# KiCad board CPU.kicad_pcb (continued)
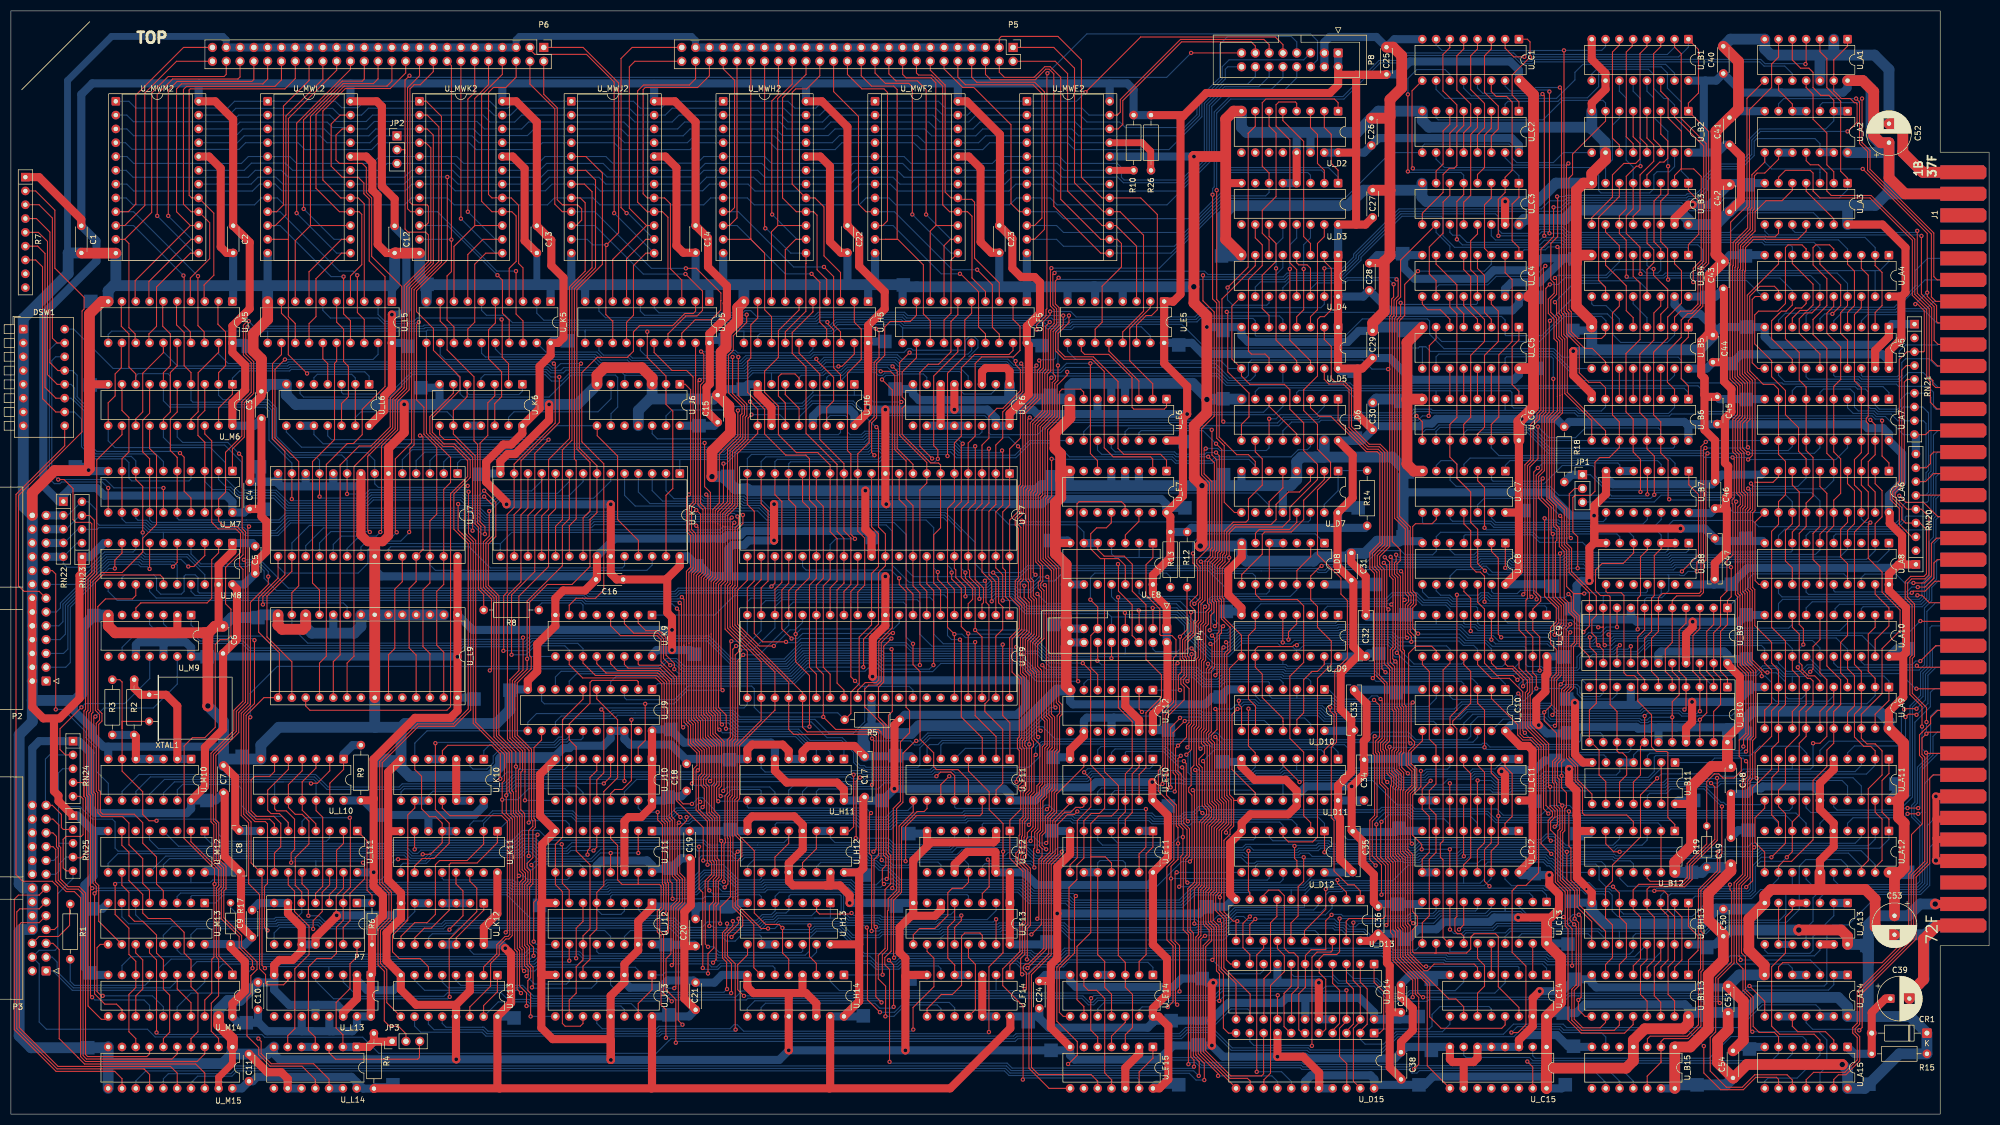
[diagram p0: board, top side]
## Routing (per net, layer and track width the routed paths; a pad name or vN(x,y) marks a point on that pad's centre or on a via; arc(x,y) is an arc through that point) (continued)
  Bottom w0.2: v1(274.22,87.74) 282.78,87.74 283.53,86.99 290.98,86.99 291.48,87.48 294.43,87.48 294.9,87.96 300.09,87.96 300.65,88.52 349.13,88.52 v1(351.35,90.73)
/Sys.~{RA_{12}}: length 53.2
  Top w0.2: v1(350.78,162.53) 350.78,151.03 353.43,148.38 353.43,138.75 354.52,137.66 J1.46
  Bottom w0.2: v1(350.78,162.53) 350.48,162.23 328.3,162.23 327.8,162.73 327.8,163.5
/Sys.~{RA_{13}}: length 67.5
  Top w0.2: U_A3.6 325.25,172.4 326.52,173.66 331.09,173.66 331.6,173.15 331.6,169.85 332.87,168.58 342.09,168.58 349.87,160.8 349.87,150.66 352.52,148.01 352.52,135.47 353.19,134.8 353.19,130.99 354.44,129.74 355.45,129.74
/Sys.~{RA_{14}}: length 54.3
  Top w0.2: v1(351.54,161.59) 351.54,150.91 353.88,148.57 353.88,142.36 354.62,141.62 J1.45
  Bottom w0.2: v1(351.54,161.59) 351.36,161.78 323.42,161.78 322.71,162.48 U_A3.8
/Sys.~{RA_{15}}: length 104.7
  Top w0.2: v1(347.48,113.78) 348.68,112.57 351.92,112.57 354.56,109.94 J1.53
  Bottom w0.2: v1(347.48,113.78) 347.48,109.41 346.92,108.86 346.91,108.86 346.15,108.09 321.6,108.09 320.46,109.23 305.86,109.23 304.93,108.3 304.93,103.81 304.44,103.32 291.06,103.32 289.18,105.21 281.29,105.21 279.89,106.6 267.59,106.6 267.36,106.37 U_C8.4
/Sys.~{RDIN}: length 51.3
  Top w0.2: J1.42 354.43,153.5 353.82,154.1 353.82,162.12 342.09,173.86 342.09,177.3 340.61,178.77 v1(340.61,186.87)
  Bottom w0.2: v1(340.61,186.87) 339.85,186.11 333.35,186.11 332.88,185.63 U_A2.3
/Sys.~{WTIN}: length 62.5
  Top w0.2: v1(339.52,186.86) 340.16,186.22 340.16,178.58 341.63,177.11 341.63,173.67 353.37,161.93 353.37,150.37 354.2,149.54 J1.43
  Bottom w0.2: v1(339.52,186.86) 326.21,186.86 325.25,185.91 U_A2.6
/WorkAddr_TC: length 69.4
  Top w0.2: v1(251.11,45.76) 250.04,46.83 250.04,54.09 250.92,54.97 250.92,66.06 250.66,66.33 250.66,69.26 v1(250.94,69.54)
  Bottom w0.2: U_C10.12 269.88,69.31 269.02,68.44 258.35,68.44 257.26,69.54 v1(250.94,69.54) ; v1(251.11,45.76) 250.81,46.06 229.4,46.06 229.01,45.67 U_D12.9
/~{AddrCount_EN}: length 208.6
  Top w0.2: v1(186.06,25.72) 185.8,25.98 185.8,28.63 186.57,29.39 186.57,34.35 187.13,34.91 187.13,45.05 185.37,46.81 185.37,47.81 185.97,48.41 185.97,51.1 186.11,51.24 186.11,53.96 186.71,54.56 186.71,58.97 187.37,59.62 187.37,68.03 v1(187.39,68.06) 187.37,68.08 187.37,80.75 186.66,81.46 186.66,87.3 187.82,88.46 187.82,94.41 187.22,95.01 187.22,97.81 186.76,98.27 186.76,114.82 187.12,115.17 187.12,127.85 187.44,128.18 v1(187.47,128.18) ; U_D6.6 231.51,130.24 236.59,125.16 U_D6.13
  Bottom w0.2: U_D6.6 231.51,130.16 230.5,129.15 218.93,129.15 217.49,127.71 187.94,127.71 v1(187.47,128.18) ; U_E14.1 210.14,27.01 209.22,27.93 194.52,27.93 193.69,27.1 188.34,27.1 186.99,25.75 186.1,25.75 v1(186.06,25.72) ; 171.12,65.34 171.12,67.89 171.53,68.3 187.29,68.3 187.39,68.2 v1(187.39,68.06)
/~{AddrHToData}: length 177.5
  Top w0.2: U_D5.2 241.67,142.53 242.95,141.25 242.95,135.43 243.6,134.79 245.38,134.79 246.68,133.49 246.68,126.53 249.95,123.26 251.96,123.26 253.26,121.96 253.26,104.64 251.41,102.79 251.41,100.92 252.26,100.08 252.26,81.97 v1(252.92,81.3) ; 343.02,70.78 343.02,73.58 345.56,76.12 345.56,78.4
  Bottom w0.2: v1(252.92,81.3) 253.22,81 280.72,81 280.87,80.86 281.62,80.86 281.97,81.2 321.05,81.2 322.32,82.47 324.89,82.47 326.36,81 329.62,81 330.84,82.22 331.33,82.22 332.95,80.6 344.65,80.6 345.56,79.69 345.56,78.4
/~{AddrHToSys}: length 224.2
  Top w0.2: 343.02,97.45 343.02,95.69 345.56,93.15 U_A10.1 345.56,89.84 343.02,87.29 U_A10.19 ; v1(188.88,95.71) 189.18,95.41 189.18,87.9 188.02,86.74 188.02,82.02 188.73,81.31 188.73,69.69 v1(189.03,69.39)
  Bottom w0.2: U_F11.5 175.62,67.3 187.7,67.3 189.03,68.62 v1(189.03,69.39) ; v1(188.88,95.71) 190.69,93.9 214.45,93.9 217.74,90.61 217.74,90.26 220.7,87.3 221.36,87.3 222.1,88.04 224.09,88.04 225.49,89.44 244.1,89.44 244.29,89.62 266.78,89.62 268.34,88.06 272.72,88.06 273.8,86.98 282.89,86.98 283.34,86.54 291.17,86.54 291.66,87.03 294.62,87.03 295.09,87.5 300.28,87.5 300.84,88.06 340.62,88.06 343.03,85.65 343.03,85.4 ; U_A10.19 343.02,85.39 343.03,85.4 ; 343.03,85.4 343.03,84.49
/~{AddrLToData}: length 139.2
  Bottom w0.2: U_D4.10 228.97,152.18 229.93,153.14 234.49,153.14 235.2,153.85 245.13,153.85 248.43,157.14 248.43,157.67 255.97,165.2 263.2,165.2 263.4,165 263.4,164.85 263.5,164.75 263.5,161.63 265.64,159.49 282.14,159.49 283,160.35 285.2,160.35 285.6,159.95 310.4,159.95 311.25,159.1 311.25,155.86 311.9,155.21 342.23,155.21 ; 342.23,155.21 343,155.21 343.02,155.18 343.02,151.3 ; 342.23,155.21 343.88,155.21 345.56,156.89 U_A4.1
/~{AddrMToData}: length 172.6
  Top w0.2: U_A7.19 343.02,126.85 v1(342.14,127.73) ; U_D4.7 228.97,156.12 222.84,149.99 222.84,127.66 v1(223.08,127.42) ; 343.02,110.91 343.02,114.48 341.76,115.75 341.76,120.07 343.02,121.33 343.02,124.12
  Bottom w0.2: v1(223.08,127.42) 223.33,127.18 233.05,127.18 234.12,128.25 240.35,128.25 240.69,128.59 257.68,128.59 258.35,129.26 261.16,129.26 261.4,129.02 287.72,129.02 288.27,128.47 305.19,128.47 305.55,128.83 316.23,128.83 317.03,128.03 341.84,128.03 v1(342.14,127.73)
/~{ALU_Flags_EN}: length 125.6
  Top w0.2: U_E7.13 205.02,112.03 204.35,112.7 196.57,112.7 196.17,112.29 196.17,79.86 v1(196.38,79.65)
  Bottom w0.2: U_J9.1 119.04,79.21 144.17,79.21 146.45,81.49 157.16,81.49 157.74,82.07 159.57,82.07 160.22,81.42 169.61,81.42 171.12,82.93 185.44,82.93 188.72,79.65 v1(196.38,79.65)
/~{ALU_OE}: length 187.6
  Top w0.2: 183.77,102.54 183.77,95.17 185.55,93.4 185.55,89.4 183.77,87.62 U_F9.40 ; U_F7.40 183.77,109.31 185.4,110.94 185.4,115.51 185.75,115.87 185.75,122.45 v1(185.32,122.89)
  Bottom w0.2: 50.68,126.66 50.68,125.52 53.48,122.72 130.8,122.72 132.65,124.56 156.66,124.56 157.3,125.21 161.02,125.21 161.66,124.56 183.64,124.56 v1(185.32,122.89)
/~{CCR_EN}: length 253.7
  Top w0.2: U_E6.7 197.4,132.86 196.85,133.4 193.42,133.4 192.97,132.95 192.97,128.12 190.75,125.9 190.75,113.6 190.39,113.24 190.39,102.36 192.36,100.39 192.36,75.72 192.97,75.11 192.97,73.77 192.51,73.31 192.51,67.06 192.05,66.61 192.05,59.82 191.51,59.28 191.51,55.9 190.34,54.74 190.34,51.9 189.74,51.3 189.74,49.48 v1(190.5,48.73)
  Bottom w0.2: v1(190.5,48.73) 189.86,48.73 189.07,49.52 173.77,49.52 172.91,48.66 162.25,48.66 161.39,49.51 137.39,49.51 137.39,49.51 128.48,49.51 127.58,50.41 98.99,50.41 97.2,52.2 94.1,52.2 92.28,50.38 69.26,50.38 68.62,49.75 36.92,49.75 35.69,50.98 35.69,52.07
/~{ClockB_{0}}: length 405.7
  Top w0.2: 79.65,76.64 79.65,85 78.36,86.28 78.36,96.19 79.65,97.47 79.65,114.95 80.9,116.21 80.9,120.83 76.45,125.28 U_K5.11 ; U_K7.27 120.54,113.86 121.8,115.11 121.8,129.34 120.54,130.59 U_J6.2 120.54,135.8 117.1,139.24 v1(117.1,143.97) ; v1(188.72,144.36) 188.72,145.19 190.46,146.93 190.46,148 190.63,148.17 190.63,191.42 v1(190.73,191.52)
  Bottom w0.2: 105.66,143.94 105.66,144.07 105.67,144.07 ; 105.66,143.94 U_J5.11 ; 105.66,143.94 105.66,144.19 105.74,144.27 ; 117.15,144.27 133.75,144.27 133.95,144.07 133.99,144.07 ; 117.15,144.27 117.1,144.21 v1(117.1,143.97) ; 117.15,144.27 105.74,144.27 ; 47.24,144.07 76.45,144.07 76.45,144.07 ; 47.24,144.07 U_L5.11 ; 47.24,144.07 18.55,144.07 17.91,143.43 U_M5.11 ; 133.99,144.07 134.87,144.07 U_H5.11 ; 133.99,144.07 150.93,144.07 152.13,145.27 163.5,145.27 164.11,144.65 ; v1(188.72,144.36) 188.43,144.66 164.11,144.66 164.08,144.68 U_F5.11 ; P8.6 240.41,193.98 240.41,197.49 239.14,198.76 197.97,198.76 v1(190.73,191.52) ; U_K5.11 76.45,144.07 ; 76.45,144.07 76.65,144.27 105.74,144.27
/~{ClockB_{1}}: length 288.9
  Top w0.2: v1(75.78,47.81) 77.23,47.81 79.36,49.95 U_K11.5 79.36,53.53 78.17,54.72 77.03,54.72 75.57,56.19 75.57,62.15 74.32,63.4 U_K10.6 ; U_F7.15 148.21,113.09 149.48,111.81 149.48,98.6 148.21,97.33 U_F9.15 148.21,82.22 149.48,80.95 v1(149.48,73.08) 151.78,70.79 159.64,70.79 160.11,70.32 160.11,46.88 v1(160.24,46.75) ; U_F12.11 176.2,42.65 175.1,41.55 173.2,41.55 172.4,40.75 172.4,36.55 170,34.15 167.2,34.15 166.04,32.99 U_F13.9
  Bottom w0.2: U_M12.9 17.88,46.13 19.69,47.93 69.37,47.93 70.01,48.57 72.74,48.57 73.8,47.51 75.48,47.51 v1(75.78,47.81) ; U_F12.11 176.2,45.98 175.35,46.82 166.15,46.82 165.12,45.79 162.33,45.79 161.73,46.39 160.6,46.39 v1(160.24,46.75) ; U_K10.6 74.32,68.22 74.3,68.25 76.57,70.53 U_J9.11 95.11,72.1 96.72,73.7 110.06,73.7 110.65,74.29 132.94,74.29 134.14,73.08 v1(149.48,73.08)
  Bottom w1.5: U_K11.5 81.9,52.06
/~{ClockB_{2}}: length 302.8
  Top w0.2: 259.7,31.23 259.7,35.22 260.99,36.5 260.99,46.91 262.22,48.15 U_C12.7 262.22,55.08 260.99,56.31 260.99,59.51 262.22,60.75 U_C11.7 262.22,67.78 260.99,69.01 260.99,81.45 259.72,82.73 U_C9.11 ; 225,57.72 225,53.01 224.33,52.35 224.33,51.5 223.22,50.39 223.22,37.2 224.91,35.51 v1(225.66,35.51) 225.43,35.28 225.43,31.98 ; 225,57.72 U_D11.9 ; 225,57.72 225,58.01 224.23,58.78 224.23,82.01 U_D9.9 226.43,88.11 223.2,91.34 223.2,94.82 222.9,95.12 222.9,100.48 224.17,101.75 v1(224.17,102.39) 224.17,106.89 225.3,108.03 233.96,108.03 235.33,109.4 235.33,111.68 240.41,116.76 240.41,119.56 237.87,122.1 237.87,127.18 235.33,129.72 235.33,133.27 234.32,134.29 227.97,134.29 226.43,135.83 U_D5.9 224.67,138.95 224.67,148.67 U_D4.9
  Bottom w0.2: v1(225.66,35.51) 226.01,35.15 243.61,35.15 243.98,34.78 245.3,34.78 246.05,34.03 249.08,34.03 250.07,33.05 250.07,32.44 251.07,31.44 253.15,31.44 254.38,30.2 258.5,30.2 U_C13.11 ; U_E8.2 207.6,102.44 207.6,102.44 ; v1(224.17,102.39) 224.14,102.42 203.2,102.42 202.52,103.1 U_E8.4 ; U_D5.9 224.05,137.19 222.63,138.61 199.23,138.61 198.94,138.9 195.93,138.9 194.43,140.4 U_E5.9
/~{DataEndCycle}: length 322.3
  Top w0.2: v1(217.76,93.9) 218.81,94.95 218.81,100.72 218.21,101.32 218.21,101.97 220.24,104 220.24,104.02 220.54,104.32 220.54,116.19 219.1,117.62 219.1,126.12 221.42,128.43 221.42,147.57 219.34,149.65 v1(219.34,154.35) ; U_A1.3 332.87,195.5 334.14,194.23 334.14,188.9 336.68,186.36 336.68,173.48 337.95,172.21 U_A3.1 ; v1(203.74,95.11) 203.78,95.06 203.78,74.78 206.32,72.24 206.32,63.88 205.06,62.61 U_E10.12 205.06,55.63 203.77,54.34 203.77,29.2 205.06,27.91 U_E14.3 205.06,23.34 206.38,22.02 206.38,15.93 205.06,14.61 U_E15.3
  Bottom w0.2: v1(217.76,93.9) 216.85,94.81 204.04,94.81 v1(203.74,95.11) ; 337.95,171.38 337.95,170.11 336.41,168.56 315.32,168.56 312.98,166.23 308.9,166.23 307.44,167.69 286.69,167.69 285.11,166.11 255.59,166.11 247.52,158.04 247.52,157.52 244.76,154.76 234.82,154.76 234.12,154.05 219.64,154.05 v1(219.34,154.35)
/~{DataRD_EN}: length 172.3
  Top w0.2: 322.7,57.18 322.7,56.31 320.92,54.52 320.92,49.99 322.7,48.21 U_A12.11 ; v1(253.25,61.11) 252.74,61.62 252.74,66.82 252.48,67.08 252.48,68.08 253.22,68.82 253.22,79.32 251.81,80.73 251.81,99.89 250.96,100.74 250.96,102.98 252.8,104.82 252.8,121.77 251.77,122.8 249.77,122.8 246.22,126.34 246.22,133.3 245.19,134.34 242.53,134.34 241.67,135.19 U_D5.15
  Bottom w0.2: U_A11.11 321.93,56.95 315.56,56.95 315.14,57.37 314.66,57.37 311.73,60.3 305.25,60.3 304.44,59.49 276.14,59.49 275.89,59.23 272.63,59.23 272.19,59.68 254.69,59.68 v1(253.25,61.11)
/~{DataRDCycle}: length 157.2
  Top w0.2: U_A1.6 325.25,194.49 323.98,193.22 323.98,188.9 319.9,184.82 319.9,166.93 319.57,166.6 319.57,163.06 316.9,160.39 316.9,156.11 316.77,155.98 316.77,135.46 318.15,134.08 318.15,128.55 317.28,127.68 317.28,122.04 318,121.33 318,114.42 318.66,113.76 318.66,111.99 318.21,111.54 318.21,99.68 318.22,99.66 318.22,95.97 318.61,95.58 318.61,82.86 320.15,81.32 320.15,69.69 319.54,69.07 319.54,66.98 v1(319.27,66.72)
  Bottom w0.2: U_B11.3 301.12,65.96 301.57,66.42 318.97,66.42 v1(319.27,66.72)
/~{DataRDLatch}: length 116.9
  Top w0.2: 345.56,51.38 345.56,54.28 345.57,54.28 344.3,55.55 344.3,61.39 345.56,62.66 345.56,64.8 ; 301.12,12.4 301.12,13.84 301.62,14.35 308.43,14.35 310.52,16.43 310.52,26.37 310.9,26.75 310.9,32.95 310.52,33.33 310.52,41.33 314,44.81 314,47.77 314.07,47.84 v1(314.07,48.27) ; U_B12.6 293.46,49.75 294.94,48.27 v1(296.02,48.27)
  Bottom w0.2: 345.56,51.38 345.56,50.59 343.9,48.93 321.8,48.93 321.2,48.33 314.14,48.33 v1(314.07,48.27) 314.01,48.33 296.07,48.33 v1(296.02,48.27)
/~{DataReady}: length 311.8
  Top w0.2: v1(187.63,50.27) 187.79,50.43 187.79,51.92 188.53,52.65 188.53,58.21 189.24,58.92 189.24,60.22 189.78,60.76 189.78,67.55 190.24,68 190.24,72.29 189.64,72.89 189.64,81.69 189.48,81.85 189.48,81.85 188.93,82.4 188.93,86.36 190.09,87.52 190.09,96.34 189.49,96.94 189.49,97.65 189.87,98.02 189.87,100.96 189.03,101.8 189.03,113.8 189.39,114.16 189.39,126.46 191.61,128.68 191.61,134.6 192.21,135.2 192.21,135.82 191.78,136.25 191.78,144.02 192.88,145.11 192.88,148.38 192.18,149.08 192.18,153.29 v1(192.78,153.89) ; 145.67,44.47 145.67,46.27 148.21,48.81 148.21,52.09
  Bottom w0.2: U_H12.2 150.79,50.82 151.64,49.96 161.58,49.96 162.43,49.11 172.7,49.11 173.56,49.97 187.33,49.97 v1(187.63,50.27) ; v1(192.78,153.89) 193.08,153.59 234.3,153.59 235.01,154.3 244.95,154.3 247.98,157.33 247.98,157.85 255.78,165.66 273.18,165.66 273.69,165.15 273.69,162.74 274.37,162.06 279.78,162.06 281.01,163.28 285.56,163.28 286.61,162.23 316.26,162.23 319.88,165.85 331.68,165.85 332.88,164.66 U_A3.12
  Bottom w1.5: 148.21,52.09 150.75,52.09
/~{DataWT_EN}: length 209.5
  Top w0.2: v1(196.22,55.69) 195.63,55.1 194.37,55.1 192.61,53.34 192.61,47.76 190.97,46.11 190.97,29.49 187.33,25.85 187.33,8.43 191.02,4.74 U_E15.8 ; 325.25,64.8 325.25,63.16 324,61.92 324,55.02 325.25,53.77 325.25,53.77 325.25,51.38
  Bottom w0.2: v1(196.22,55.69) 196.52,55.39 209.98,55.39 210.58,54.79 215.11,54.79 215.87,55.55 217.55,55.55 218.6,56.6 220.44,56.6 221.04,56 251.77,56 252.2,56.44 257.42,56.44 258.17,55.7 271.76,55.7 273.36,54.1 284.41,54.1 284.81,54.5 324.27,54.5 325.25,53.52 325.25,51.38
/~{DataWTCycle}: length 292.8
  Top w0.2: v1(318.76,67.64) 318.82,67.69 318.82,68.99 319.7,69.87 319.7,81.13 318.16,82.67 318.16,95.39 317.77,95.78 317.77,99.47 317.75,99.49 317.75,111.72 318.21,112.18 318.21,113.57 317.55,114.24 317.55,121.14 316.83,121.86 316.83,127.86 317.7,128.73 317.7,133.89 316.32,135.27 316.32,156.17 316.44,156.3 316.44,164.12 319.44,167.12 319.44,186.9 U_A1.8 ; v1(188.57,66.12) 188.27,65.82 188.27,59.25 187.62,58.59 187.62,53.53 v1(187.32,53.24)
  Bottom w0.2: U_B11.4 298.58,66.09 299.36,66.87 318.28,66.87 318.76,67.35 v1(318.76,67.64) ; 296.04,64.19 296.04,63.04 295.4,62.4 286.24,62.4 285.64,63 282.15,63 281.36,62.21 274.98,62.21 274.73,61.96 273.76,61.96 272.66,63.05 269.15,63.05 268.65,62.55 260.75,62.55 260.14,61.95 256.14,61.95 254.41,63.68 247.27,63.68 246.51,64.44 246.51,66.85 245.39,67.98 221.1,67.98 220.52,68.56 189.67,68.56 188.57,67.46 v1(188.57,66.12) ; v1(187.32,53.24) 187.02,53.53 178.96,53.53 178.74,53.31 U_F12.3
  Bottom w1.5: U_B11.5 U_B11.4
/~{DMAInterrupt}: length 79.6
  Top w0.2: v1(186.57,23.03) 186.85,23.31 186.85,26 186.3,26.55 186.3,27.18 186.74,27.63 187.18,27.63 190.06,30.51 190.06,46.49 191.71,48.13 191.71,54.01 194.9,57.2 U_E10.8
  Bottom w0.2: v1(186.57,23.03) 186.28,22.73 181.28,22.73 ; 181.28,22.73 181.28,25.6 ; 181.28,22.73 152.46,22.73 150.75,24.44 U_H14.2
/~{DMAReadEndStrobe}: length 370.4
  Top w0.2: v1(194.53,9.22) 194.6,9.22 196.22,10.85 196.22,13.35 192.46,17.1 192.46,27.04 194.69,29.27 194.69,41.71 196.15,43.16 196.15,45.83 197.44,47.12 197.44,53.98 198.78,55.32 200.28,55.32 201.25,56.28 201.25,61.69 198.68,64.26 198.68,81.53 v1(197.23,82.97)
  Bottom w0.2: v1(197.23,82.97) 197.23,82.98 191.15,82.98 188.93,85.19 188.56,85.19 188.56,85.19 165.63,85.19 164.52,86.3 145.48,86.3 142.48,83.3 132.54,83.3 128.3,87.54 95.79,87.54 94.71,86.45 83.08,86.45 82.39,85.76 44.02,85.76 42.73,87.05 34.82,87.05 33.5,88.37 27.25,88.37 25.53,90.09 25.53,91.81 U_M9.4 ; v1(194.53,9.22) 194.83,8.93 211.86,8.93 213.33,10.39 218.38,10.39 219.32,9.45 237.62,9.45 237.92,9.15 258.42,9.15 258.64,8.92 295.68,8.92 298.54,6.06 U_B15.11
/~{DSWh_INT_OE}: length 347.2
  Top w0.2: v1(43.53,144.85) 43.23,144.55 43.23,139.9 44.68,138.44 44.68,132.62 42.95,130.89 42.95,124.59 40.77,122.4 U_M7.1
  Bottom w0.2: v1(43.53,144.85) 43.85,144.52 76.03,144.52 76.23,144.72 133.94,144.72 134.13,144.52 150.74,144.52 151.95,145.72 163.68,145.72 164.3,145.11 190.06,145.11 190.65,144.52 192.11,144.52 192.86,145.28 194.76,145.28 195.26,145.77 218.25,145.77 218.89,146.41 228.55,146.41 228.97,145.99 U_D5.7 228.97,143.32 229.11,143.18 245.53,143.18 248.67,146.32 260.65,146.32 261.05,145.92 261.05,143.5 263.7,140.85 283.91,140.85 285.47,139.29 306.79,139.29 307.38,138.7 307.38,135.4 308.23,134.54 325.89,134.54 326.11,134.32 339.54,134.32 339.99,133.87 344.46,133.87 345.56,132.77 345.56,131.74
/~{F11_EN}: length 115.2
  Top w0.2: v1(164.63,46.54) 164.63,52.92 166.63,54.91 178.31,54.91 178.74,55.34 U_F11.14
  Bottom w0.2: v1(164.63,46.54) 164.33,46.84 161.49,46.84 160.83,47.5 159.85,47.5 159.44,47.09 158.07,47.09 157.47,47.69 134.83,47.69 134.23,47.09 133.17,47.09 132.71,47.55 127.09,47.55 126.64,47.1 126.64,44.64 125.09,43.1 109.55,43.1 109.16,42.71 92.77,42.71 92.38,43.1 79.64,43.1 79.36,43.37 U_K11.12
/~{FPC_SW_4}: length 141.3
  Top w0.2: v1(43.82,108.13) 43.61,107.92 43.61,75.61 41.93,73.93 41.93,70.22 37.72,66.01 37.72,54.17 38.25,53.64 38.25,46.92 39.59,45.58 39.59,41.47 39.18,41.06 39.18,36.13 42.45,32.86 42.45,30.85 45.3,28.01 45.3,26.63 44.16,25.49 44.16,22.2 43.44,21.48 43.44,14.41 45.6,12.25 45.6,10.95 47.73,8.81 53.57,8.81 56.02,6.37 U_L14.11
  Bottom w0.2: U_M7.13 22.98,109.66 23.37,109.27 25,109.27 25.85,108.42 43.53,108.42 v1(43.82,108.13)
/~{H14_OE}: length 313.3
  Top w0.2: v1(166.6,68.68) 166.43,68.68 164.14,66.39 164.14,57.38 162.97,56.22 162.97,41.19 161.42,39.64 161.42,37.52 161.3,37.4 161.3,30.28 160.35,29.33 160.35,25.7 v1(160.4,25.65) ; v1(344.3,127.6) 344.3,121.08 345.56,119.82 U_A6.1 ; v1(194.36,136.57) 194.36,135.99 192.52,134.14 192.52,128.31 190.29,126.09 190.29,113.78 189.94,113.43 189.94,102.17 191.91,100.2 191.91,75.11 v1(192.21,74.81)
  Bottom w0.2: v1(192.21,74.81) 191.23,74.81 186.54,70.11 168.71,70.11 167.27,68.67 166.61,68.67 v1(166.6,68.68) ; v1(344.3,127.6) 344,127.9 343.04,127.9 342.46,128.48 317.22,128.48 316.42,129.28 312.35,129.28 311.41,130.23 311.41,133.02 310.42,134.01 246.94,134.01 246.4,134.54 223.81,134.54 222.08,136.27 194.66,136.27 v1(194.36,136.57) ; v1(160.4,25.65) 160.35,25.6 U_H14.1 ; 234.05,134.54 U_D5.12
/~{L13A_SET}: length 52.8
  Top w0.2: U_K11.14 84.44,42.87 85.73,41.58 85.73,37.26 80.65,32.18 80.65,21.67 v1(80.74,21.58)
  Bottom w0.2: U_L13.5 56.06,24.53 59.37,21.23 80.39,21.23 v1(80.74,21.58)
/~{Level_LD}: length 80.6
  Top w0.2: v1(220.59,89.03) 220.79,89.22 220.79,91.8 221.39,92.4 221.39,94.07 221.08,94.37 221.08,101.23 222.05,102.2 222.05,103.26 222.35,103.56 222.35,121.14 v1(221.75,121.74)
  Bottom w0.2: U_E6.12 202.48,122.57 203.2,121.85 214.12,121.85 214.55,121.42 219.7,121.42 220,121.72 221.73,121.72 v1(221.75,121.74) ; U_D9.1 244.21,90.83 243.73,90.35 225.12,90.35 223.8,89.03 v1(220.59,89.03)
/~{M13_EN}: length 67.2
  Top w0.2: 81.9,44.44 81.9,42.36 83.19,41.07 83.19,36.5 80.7,34.01 v1(80.7,33.94)
  Bottom w0.2: v1(80.7,33.94) 80.41,33.65 70.18,33.65 69.73,33.2 69.73,30.15 69,29.43 31.33,29.43 30.59,30.18 U_M13.14
/~{MainClockPhi1}: length 394.8
  Top w0.2: 140.59,44.47 140.59,47.29 143.13,49.83 143.13,52.09 ; v1(46.74,26.86) 46.21,27.39 46.21,44.22 ; U_D7.11 231.51,112.69 234.05,115.22 U_D7.5 ; v1(129.21,27.87) 129.77,28.43 129.77,38.31 130.18,38.72 130.18,42.82 130.76,43.4 130.76,50.22 v1(130.72,50.26) 130.42,50.56 130.42,54.83 129.4,55.85 129.4,60.28 129.86,60.75 129.86,67.98 128.25,69.59 128.25,72.86 127.48,73.63 127.48,87.79 127.48,87.79 127.48,98.56 128.25,99.34 128.25,113.7 v1(127.95,114) ; v1(44.82,87.21) 44.82,75.54 42.84,73.55 42.84,55.14 44.2,53.78 44.2,46.23 U_L11.9
  Bottom w0.2: v1(130.72,50.26) 131.01,49.96 137.58,49.96 137.58,49.96 142.24,49.96 143.13,50.85 143.13,52.09 ; v1(44.82,87.21) 44.52,87.51 35.01,87.51 33.69,88.83 29.49,88.83 28.09,90.23 U_M9.3 ; 57.59,27.16 47.07,27.16 ; 57.59,27.16 58.5,27.16 58.52,27.14 58.52,25.6 ; 57.59,27.16 96.54,27.16 96.87,27.48 104.28,27.48 104.97,28.17 128.91,28.17 v1(129.21,27.87) ; 47.07,27.16 46.87,27.16 ; 47.07,27.16 47.04,27.16 v1(46.74,26.86) ; U_D7.11 231.51,112.05 229.27,114.29 190.2,114.29 189.26,113.34 135.27,113.34 134.92,113.7 128.25,113.7 v1(127.95,114)
/~{MainClockPhi3}: length 68.1
  Bottom w0.2: 84.48,31.19 84.48,30.12 85.18,29.43 94.4,29.43 95.38,30.4 96.73,30.4 97.24,29.9 104.65,29.9 105.47,29.08 129.74,29.08 130.07,28.75 147.19,28.75 148.25,29.8 U_H13.13
/~{MAPROM_SEL}: length 358.3
  Top w0.2: v1(130.15,57.57) 129.85,57.87 129.85,60.1 130.32,60.56 130.32,68.17 128.71,69.78 128.71,73.05 127.94,73.82 127.94,87.98 127.93,87.98 127.93,98.38 128.71,99.15 128.71,109.17 128.71,109.17 128.71,114.39 127.65,115.45 127.65,123.5 v1(127.65,123.5) ; v1(158.26,55.4) 157.96,55.1 157.96,47.99 158.37,47.57 v1(158.37,33.69) ; 301.06,31.23 301.06,28.44 299.85,27.23 299.85,22.02 301.06,20.81 301.06,17.99
  Bottom w0.2: v1(158.26,55.4) 157.33,56.33 135.75,56.33 135.51,56.57 U_H11.9 135.37,57.58 130.17,57.58 v1(130.15,57.57) ; 55.76,126.66 55.76,125.04 57.45,123.35 127.49,123.35 v1(127.65,123.5) ; v1(158.37,33.69) 159.74,33.69 160.03,33.98 170.74,33.98 171.19,34.43 181.7,34.43 182.01,34.74 193.67,34.74 194.56,33.85 218.26,33.85 218.41,34 223.16,34 223.85,34.69 243.43,34.69 243.79,34.33 245.11,34.33 245.86,33.58 248.89,33.58 249.61,32.86 249.61,32.25 250.88,30.99 252.96,30.99 254.2,29.75 264.33,29.75 264.33,29.72 264.61,29.44 282.67,29.44 283.14,28.97 298.78,28.97 U_BH13.13
  Bottom w1.5: U_L6.9 55.76,126.66
/~{MemAddr_Count_EN}: length 192.8
  Top w0.2: v1(130.61,58.52) 130.31,58.82 130.31,59.91 130.77,60.37 130.77,68.35 129.16,69.96 129.16,73.24 128.39,74.01 128.39,88.16 128.39,88.17 128.39,98.19 129.16,98.96 129.16,108.98 129.16,108.98 129.16,111.26 130.36,112.46 130.36,121.42 133.77,124.84 v1(133.77,129.46)
  Bottom w0.2: v1(130.61,58.52) 131.37,58.52 132.59,59.74 137.8,59.74 138.05,59.49 U_H11.10 ; U_D6.5 234.05,130.21 232.53,128.69 219.12,128.69 217.68,127.26 192.1,127.26 191.18,127.26 188.94,125.02 180.29,125.02 179.96,125.35 179.96,127.78 179.21,128.53 157.67,128.53 154.97,131.22 147.3,131.22 145.84,129.76 134.07,129.76 v1(133.77,129.46)
/~{MWConst_OE}: length 204.1
  Top w0.2: U_M6.1 40.77,132.47 38.23,129.93 U_M6.19
  Bottom w0.2: U_D5.10 228.97,135.9 228.07,135 224,135 221.61,137.39 194.12,137.39 193.18,136.45 184,136.45 182.89,137.55 163.36,137.55 162.58,138.33 149.99,138.33 148.95,137.3 136.17,137.3 135.16,136.29 131.54,136.29 131.44,136.39 113.21,136.39 112.71,136.89 102.15,136.89 101.65,136.39 99.26,136.39 98.62,137.04 51.59,137.04 51.3,136.75 42.08,136.75 40.77,135.43 U_M6.1
/~{MWROMEN}: length 21.2
  Top w0.2: 75.18,13.35 75.18,10.43 74.85,10.1 59.75,10.1 58.56,11.29 U_L14.3
/~{NibbleSwap_EN}: length 152.2
  Top w0.2: U_C12.9 259.68,46.88 260.99,48.18 260.99,54.79 259.68,56.09 U_C11.9 259.68,59.78 v1(261.24,61.34)
  Bottom w0.2: U_H11.7 138.05,63.68 138.78,62.95 154.5,62.95 154.76,63.22 156.67,63.22 156.97,62.92 169.34,62.92 169.81,63.39 173.16,63.39 173.74,62.81 186.17,62.81 186.84,62.13 197.78,62.13 198.76,63.11 212.21,63.11 212.33,63.22 214.45,63.22 216.03,61.65 228.68,61.65 229.32,62.28 233.83,62.28 234.31,62.77 254.04,62.77 255.77,61.04 260.94,61.04 v1(261.24,61.34)
  Bottom w1.5: U_C11.10 U_C11.9 ; U_C12.10 U_C12.9
/~{P7_2}: length 35.3
  Top w0.2: U_L14.6 50.94,14.41 52.25,15.72 52.25,26.75 54.87,29.37 54.87,34.59 52.2,37.26 52.2,41.03 51.03,42.19 U_L11.11
/~{PTIndex_LD}: length 105.8
  Top w0.2: v1(218.9,67.23) 218.59,67.54 218.59,70.65 219.06,71.11 219.06,83.36 219.39,83.68 219.39,89.85 219.88,90.34 219.88,92.47 220.48,93.07 220.48,93.69 220.17,94 220.17,101.61 221.14,102.58 221.14,103.64 221.44,103.94 221.44,119.83 v1(220.31,120.97)
  Bottom w0.2: v1(220.31,120.97) 214.36,120.97 213.93,121.4 200.73,121.4 199.94,122.19 U_E6.11 ; v1(218.9,67.23) 219.54,67.87 220.57,67.87 220.91,67.52 243.3,67.52 244.21,66.61 U_D11.1
/~{PTRAM_OE}: length 121.5
  Top w0.2: 305.69,73.46 305.69,75.87 306.96,77.14 306.96,80.19 305.69,81.46 U_B9.18 ; 305.69,73.46 U_B10.18 ; 305.69,73.46 v1(305.69,73.03) ; v1(208.11,74) 207.6,74.51 U_E12.2
  Bottom w0.2: v1(305.69,73.03) 301.56,73.03 301.04,72.5 300.04,72.5 299.73,72.82 287.31,72.82 287.16,72.66 283.37,72.66 282.89,73.14 282.89,74.61 282.81,74.69 280.77,74.69 280.75,74.67 279,74.67 278.98,74.69 277.93,74.69 277.28,74.04 268.02,74.04 266.71,72.73 241.78,72.73 240.72,73.79 219.41,73.79 218.96,74.24 208.36,74.24 v1(208.11,74)
/~{PTRAM_WE}: length 297.9
  Top w0.2: U_B10.20 v1(310.77,72.57) 312.04,73.84 312.04,79.93 310.77,81.2 U_B9.20 ; U_K11.10 74.28,45.63 75.69,47.04 77.85,47.04 80.65,49.84 80.65,53.52 78.11,56.06 v1(78.11,68.25)
  Bottom w0.2: v1(310.77,72.57) 310.47,72.28 301.45,72.28 301.22,72.05 299.86,72.05 299.54,72.36 287.5,72.36 287.35,72.21 283.14,72.21 282.22,73.13 269.93,73.13 268.61,71.81 268.61,69.52 267.98,68.9 258.54,68.9 257.14,70.29 250.63,70.29 249.22,68.88 223.19,68.88 221.93,70.15 221.23,70.15 220.09,69.01 192.15,69.01 189.88,71.29 189,71.29 186.92,69.21 169.08,69.21 167.26,67.39 167.26,64.19 166.9,63.82 157.35,63.82 157.05,64.12 156.28,64.12 155.52,64.88 155.52,66.72 152.98,69.27 150.18,69.27 147.27,72.18 133.77,72.18 132.56,73.38 130.94,73.38 111.64,73.38 111.05,72.79 101.83,72.79 101.48,72.44 101.48,69.52 101.33,69.37 100.83,69.37 99.86,68.4 78.25,68.4 v1(78.11,68.25)
